# Altium PCB Phaser.PcbDoc (part 1 of 4) (continued)
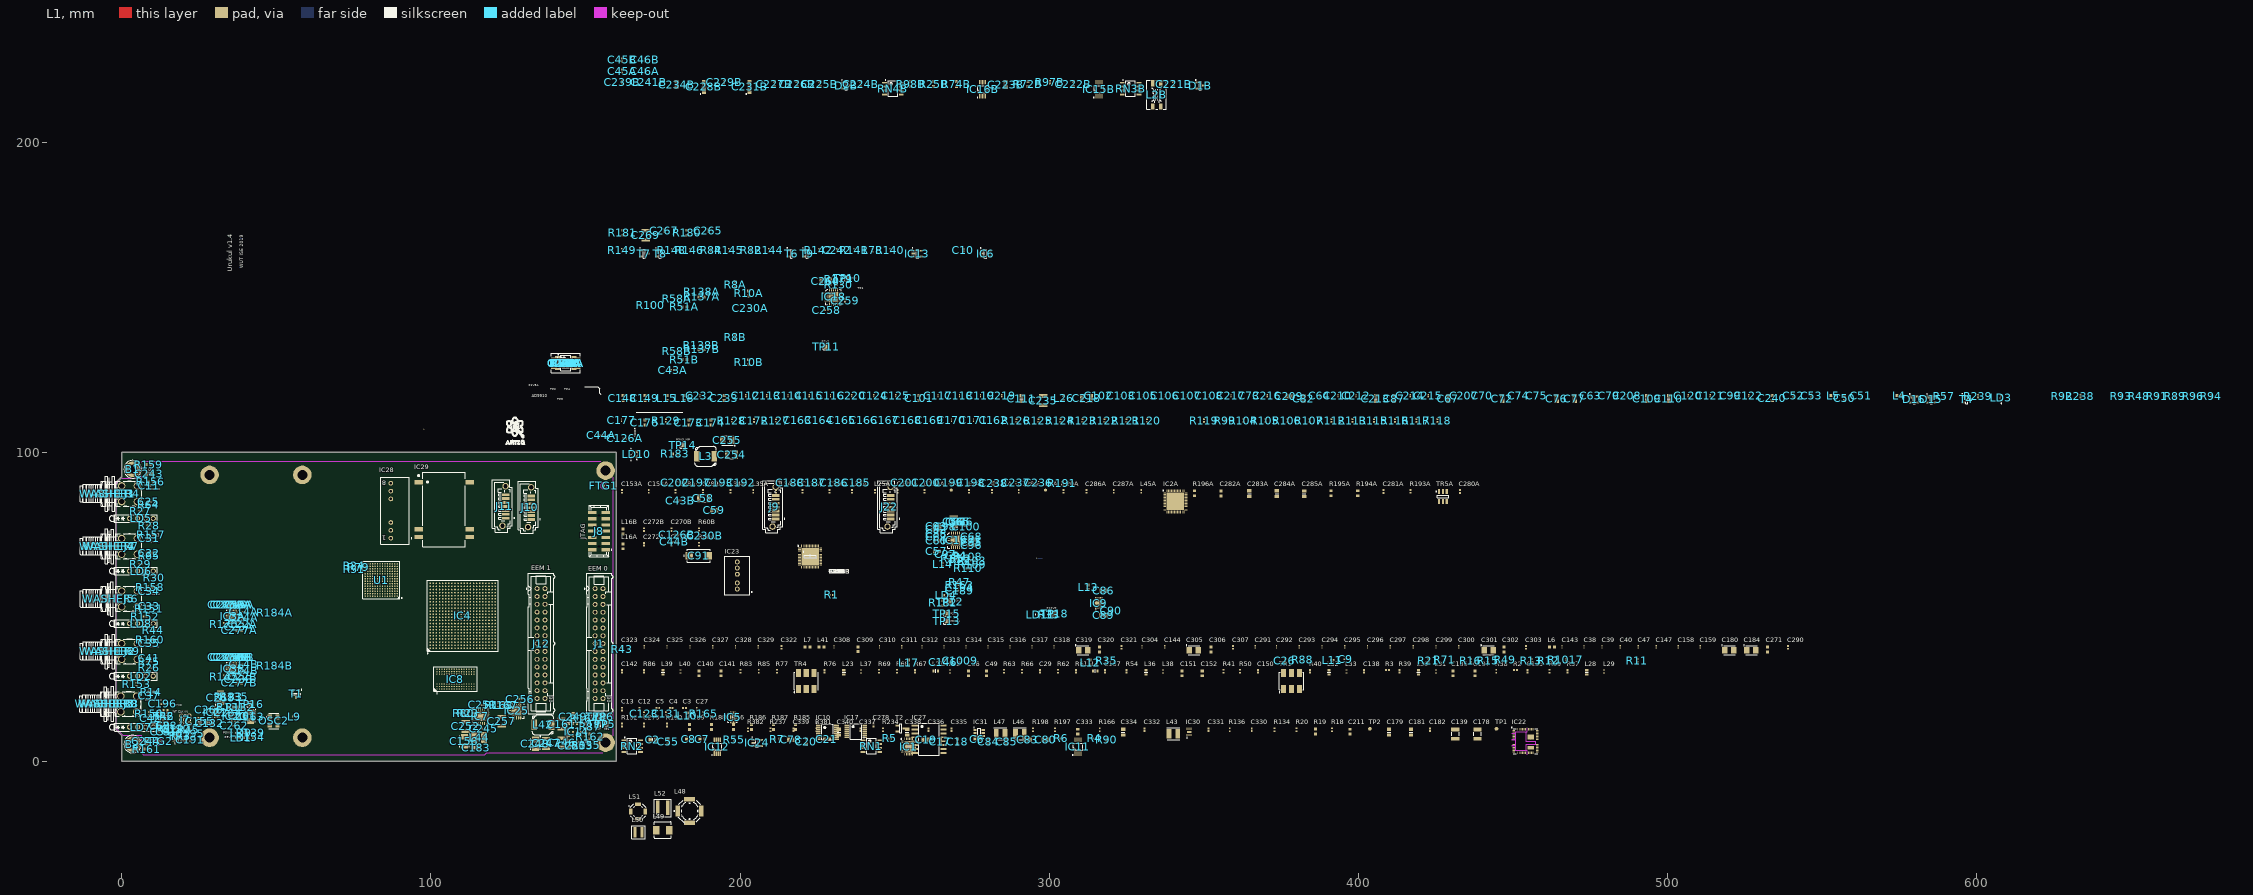
[diagram p0: L1 view]
## Classes and differential pairs (continued)
net class LED[7..0]: LED0 LED1 LED2 LED3 LED4 LED5 LED6 LED7
differential pair DAC_OUT: +DAC_OUT_P -DAC_OUT_N
differential pair DAC_CLK: +DAC_CLK_P -DAC_CLK_N
differential pair BBQB: +BBQB_P -BBQB_N
differential pair BBIB: +BBIB_P -BBIB_N
differential pair SATA_TX: +SATA_TX_P -SATA_TX_N
differential pair SATA_RX: +SATA_RX_P -SATA_RX_N
differential pair MGT_TX3: +MGT_TX3_P -MGT_TX3_N
differential pair MGT_RX3: +MGT_RX3_P -MGT_RX3_N
differential pair LVDS15: +LVDS15_P -LVDS15_N
differential pair LVDS14: +LVDS14_P -LVDS14_N
differential pair LVDS13: +LVDS13_P -LVDS13_N
differential pair LVDS12: +LVDS12_P -LVDS12_N
differential pair LVDS11: +LVDS11_P -LVDS11_N
differential pair LVDS10: +LVDS10_P -LVDS10_N
differential pair LVDS9: +LVDS9_P -LVDS9_N
differential pair LVDS8: +LVDS8_P -LVDS8_N
differential pair LVDS7: +LVDS7_P -LVDS7_N
differential pair LVDS6: +LVDS6_P -LVDS6_N
differential pair LVDS5: +LVDS5_P -LVDS5_N
differential pair LVDS4: +LVDS4_P -LVDS4_N
differential pair LVDS3: +LVDS3_P -LVDS3_N
differential pair LVDS2: +LVDS2_P -LVDS2_N
differential pair LVDS1: +LVDS1_P -LVDS1_N
differential pair LVDS0: +LVDS0_P -LVDS0_N
differential pair IOUTD: +IOUTD_P -IOUTD_N
differential pair IOUTC: +IOUTC_P -IOUTC_N
differential pair IOUTB: +IOUTB_P -IOUTB_N
differential pair IOUTA: +IOUTA_P -IOUTA_N
differential pair IN_1: +IN_1_P -IN_1_N
differential pair IN_0: +IN_0_P -IN_0_N
differential pair DDR3_UDQS: +DDR3_UDQS_P -DDR3_UDQS_N
differential pair DDR3_LDQS: +DDR3_LDQS_P -DDR3_LDQS_N
differential pair DDR3_CK: +DDR3_CK_P -DDR3_CK_N
differential pair CKC_GTP_125: +CKC_GTP_125_P -CKC_GTP_125_N
differential pair CK_GTP: +CK_GTP_P -CK_GTP_N
differential pair CK_GTP_125: +CK_GTP_125_P -CK_GTP_125_N
differential pair ADC_SDOB: +ADC_SDOB_P -ADC_SDOB_N
differential pair ADC_SDOA: +ADC_SDOA_P -ADC_SDOA_N
differential pair ADC_SCK: +ADC_SCK_P -ADC_SCK_N
differential pair ADC_CNVn: +ADC_CNVn_P -ADC_CNVn_N
differential pair ADC_CLKOUT: +ADC_CLKOUT_P -ADC_CLKOUT_N
differential pair CK_SMA: +CK_SMA_P -CK_SMA_N
differential pair CK_MMCX: +CK_MMCX_P -CK_MMCX_N
differential pair CK_MMCX_IN: +CK_MMCX_IN_P -CK_MMCX_IN_N
differential pair CK_SMA_IN: +CK_SMA_IN_P -CK_SMA_IN_N

## Components (designator, comment, footprint, x,y, rotation, side; value= is the part's Value field where it differs from the comment)
B1 "Plated Hole" MTG270_500 3.556,94.412 r90 top locked
B2 "Plated Hole" MTG270_500 3.556,5.512 r90 top locked
B3A "SMD Pad" C100 298.767,87.659 r90 top (schematic designator B3)
B3B "SMD Pad" C100 222.662,66.162 r0 top (schematic designator B3)
B4A "SMD Pad" C100 268.291,87.659 r90 top (schematic designator B4)
B4B "SMD Pad" C100 222.662,66.162 r0 top (schematic designator B4)
C1 "100nF" CAPC1608X87N 299.389,83.344 r180 bottom
C2 "10uF" CAPC2012X95N 171.811,6.855 r0 top
C3 "100nF" CAPC1005X55N 182.036,17.256 r0 top
C4 "100nF" CAPC1005X55N 177.711,17.256 r0 top
C5 "100nF" CAPC1005X55N 173.386,17.256 r0 top
C6 "1uF" CAPC1608X87N 276.766,7.13 r0 top
C7 "1uF" CAPC1608X87N 187.812,7.13 r0 top
C8 "100nF" CAPC1608X87N 183.386,7.13 r0 top
C9 "100nF" CAPC1005X55N 395.897,32.956 r0 top
C10 "100nF" CAPC1005X55N 272.216,165.238 r90 top
C11 "10nF" CAPC1005X55N 8.839,89.154 r0 top
C12 "100nF" CAPC1005X55N 167.386,16.831 r90 top
C13 "100nF" CAPC1005X55N 161.81,16.831 r90 top
C14A "10nF" CAPC1005X55N 39.5,48.325 r180 top (schematic designator C14)
C14B "10nF" CAPC1005X55N 39.5,31.325 r180 top (schematic designator C14)
C15A "10nF" CAPC1005X55N 38.171,50.64 r270 top (schematic designator C15)
C15B "10nF" CAPC1005X55N 38.171,33.64 r270 top (schematic designator C15)
C16A "10nF" CAPC1005X55N 37.271,50.64 r270 top (schematic designator C16)
C16B "10nF" CAPC1005X55N 37.271,33.64 r270 top (schematic designator C16)
C17 "100nF" CAPC1608X87N 264.79,6.305 r90 top
C18 "100nF" CAPC1608X87N 270.366,6.305 r90 top
C19 "10uF" CAPC2012X95N 260.14,6.855 r0 top
C20 "100nF" CAPC1608X87N 221.438,6.305 r90 top
C21 "100nF" CAPC1608X87N 228.089,7.13 r0 top
C22A "100nF" CAPC1005X55N 39.2,44.325 r90 top (schematic designator C22)
C22B "100nF" CAPC1005X55N 39.2,27.325 r90 top (schematic designator C22)
C23A "1nF" CAPC1005X55N 37.9,43.525 r180 top (schematic designator C23)
C23B "1nF" CAPC1005X55N 37.9,26.525 r180 top (schematic designator C23)
C24A "100pF" CAPC1005X55N 39.5,46.325 r180 top (schematic designator C24)
C24B "100pF" CAPC1005X55N 39.5,29.325 r180 top (schematic designator C24)
C25 "100nF" CAPC1005X55N 8.797,83.871 r180 top
C26 "100nF" CAPC1005X55N 376.171,32.556 r90 top
C27 "100nF" CAPC1005X55N 185.962,16.831 r90 top
C28 "0.5pF" CAPC1005X50N 14.5,11.475 r180 top
C29 "1uF" CAPC1005X55N 297.017,29.081 r90 top
C30A "1uF" CAPC1005X55N 228.864,87.284 r90 top (schematic designator C30)
C30B "1uF" CAPC1005X55N 222.662,66.162 r0 top (schematic designator C30)
C31 "10nF" CAPC1005X55N 8.814,72.085 r0 top
C32 "100nF" CAPC1608X90N 8.828,67.277 r180 top
C33 "10nF" CAPC1005X55N 8.814,50.165 r0 top
C34 "10nF" CAPC1005X55N 8.814,55.042 r180 top
C35 "10nF" CAPC1005X55N 8.814,38.151 r0 top
C36 "2.2pF" CAPC1608X87N 273.916,28.431 r90 top
C37 "10nF" CAPC1005X55N 8.865,21.209 r0 top
C38 "220nF" CAPC0603X33N 472.926,36.956 r90 top
C39 "220nF" CAPC0603X33N 478.776,36.956 r90 top
C40 "220nF" CAPC0603X33N 484.626,36.956 r90 top
C41 "10nF" CAPC1005X55N 8.839,33.223 r180 top
C42 "100nF" CAPC1005X55N 9.32,13.85 r180 top
C43A "100pF" CAPC1005X55N 178.15,126.5 r180 top (schematic designator C43)
C43B "100pF" CAPC1005X55N 180.6,84.275 r180 top (schematic designator C43)
C44A "4.7pF" CAPC1005X55N 155.075,105.4 r0 top (schematic designator C44)
C44B "4.7pF" CAPC1005X55N 178.725,70.952 r0 top (schematic designator C44)
C45A "100pF" CAPC1005X55N 161.81,223.216 r90 top (schematic designator C45)
C45B "100pF" CAPC1005X55N 161.81,226.816 r90 top (schematic designator C45)
C46A "100pF" CAPC1005X55N 169.161,223.216 r90 top (schematic designator C46)
C46B "100pF" CAPC1005X55N 169.161,226.816 r90 top (schematic designator C46)
C47 "220nF" CAPC0603X33N 490.476,36.956 r90 top
C48 "100nF" CAPC1005X55N 226.967,149.61 r270 bottom
C49 "2.7pF" CAPC1608X87N 279.741,28.431 r90 top
C50 "22uF" CAPC1709X100N 557.205,117.41 r90 top
C51 "100nF" CAPC0603X33N 562.605,118.21 r90 top
C52 "1uF" CAPC1005X55N 540.729,118.21 r90 top
C53 "1uF" CAPC1005X55N 546.579,118.21 r90 top
C54 "100nF" CAPC1005X55N 12.7,9.55 r0 top
C55 "100nF" CAPC1608X87N 176.711,6.305 r90 top
C56 "100uF" CAPC3225X270N 269.125,77.4 r270 top
C57 "22uF" CAPC1709X100N 263.625,67.9 r0 top
C58 "100uF" CAPC3225X270N 188.125,84.989 r0 top
C59 "4.7uF" CAPC2012X135N 191.625,81.179 r0 top
C60 "22uF" CAPC1709X100N 263.625,71.3 r0 top
C61 "470nF" CAPC0603X33N 270.025,77.4 r270 top
C62 "470nF" CAPC0603X33N 263.625,72.6 r0 top
C63 "470nF" CAPC0603X33N 475.176,118.21 r90 top
C64 "470nF" CAPC0603X33N 387.496,118.21 r90 top
C65 "470nF" CAPC0603X33N 271.025,77.4 r270 top
C66 "4.7uF" CAPC2012X135N 271.925,77.4 r270 top
C67 "4.7uF" CAPC2012X135N 429.023,117.285 r90 top
C68 "470nF" CAPC0603X33N 274.925,72.6 r180 top
C69 "0.5pF" CAPC1005X50N 12.5,11.475 r180 top
C70 "470nF" CAPC0603X33N 440.099,118.21 r90 top
C71 "4.7uF" CAPC2012X135N 274.925,71.7 r180 top
C72 "4.7uF" CAPC2012X135N 446.549,117.285 r90 top
C73 "470nF" CAPC0603X33N 364.62,118.21 r90 top
C74 "470nF" CAPC0603X33N 451.799,118.21 r90 top
C75 "470nF" CAPC0603X33N 457.65,118.21 r90 top
C76 "4.7uF" CAPC2012X135N 464.1,117.285 r90 top
C77 "4.7uF" CAPC2012X135N 469.925,117.285 r90 top
C78 "10uF" CAPC2012X95N 216.538,6.855 r0 top
C79 "470nF" CAPC0603X33N 481.026,118.21 r90 top
C80 "10uF" CAPC2012X95N 298.867,6.855 r0 top
C81 "100nF" CAPC1005X55N 14.525,9.575 r180 top
C82 "4.7uF" CAPC2012X135N 382.271,117.285 r90 top
C83 "10uF" CAPC2012X95N 293.017,6.855 r0 top
C84 "1uF" CAPC1608X87N 280.391,6.305 r90 top
C85 "2.2uF" CAPC1608X87N 286.241,6.305 r90 top
C86 "47nF" CAPC2012X135N 317.6,55.102 r180 top
C87 "4.7uF" CAPC2012X135N 411.498,117.285 r90 top
C88 "100nF" CAPC1005X55N 263.625,73.5 r0 top
C89 "47nF" CAPC2012X135N 317.55,47.229 r0 top
C90 "470nF" CAPC0603X33N 319.997,48.642 r90 top
C91 "330uF" CAPMP7343X190N 186.625,66.475 r0 top
C92 "4.7uF" CAPC2012X135N 263.625,75.06 r0 top
C93 "4.7uF" CAPC2012X135N 263.625,75.96 r0 top
C94 "4.7uF" CAPC2012X135N 269.825,66.4 r90 top
C95 "470nF" CAPC0603X33N 274.925,70.8 r180 top
C96 "4.7uF" CAPC2012X135N 274.925,69.9 r180 top
C97 "470nF" CAPC0603X33N 266.525,66.9 r0 top
C98 "470nF" CAPC0603X33N 266.425,75.9 r0 top
C99 "470nF" CAPC0603X33N 520.403,118.21 r90 top
C100 "470nF" CAPC0603X33N 273.125,75.9 r180 top
C101 "22uF" CAPC1709X100N 257.89,117.41 r90 top
C102 "470nF" CAPC0603X33N 316.068,118.21 r90 top
C103 "470nF" CAPC0603X33N 323.193,118.21 r90 top
C104 "470nF" CAPC0603X33N 171.701,113.328 r180 bottom
C105 "470nF" CAPC0603X33N 330.319,118.21 r90 top
C106 "470nF" CAPC0603X33N 337.419,118.21 r90 top
C107 "470nF" CAPC0603X33N 344.544,118.21 r90 top
C108 "470nF" CAPC0603X33N 351.67,118.21 r90 top
C109 "4.7uF" CAPC2012X135N 493.327,117.285 r90 top
C110 "4.7uF" CAPC2012X135N 500.427,117.285 r90 top
C111 "4.7uF" CAPC2012X135N 291.092,117.285 r90 top
C112 "100nF" CAPC0603X33N 201.787,118.21 r90 top
C113 "100nF" CAPC0603X33N 208.638,118.21 r90 top
C114 "100nF" CAPC0603X33N 215.513,118.21 r90 top
C115 "100nF" CAPC0603X33N 222.363,118.21 r90 top
C116 "100nF" CAPC0603X33N 229.239,118.21 r90 top
C117 "470nF" CAPC0603X33N 264.04,118.21 r90 top
C118 "470nF" CAPC0603X33N 270.916,118.21 r90 top
C119 "470nF" CAPC0603X33N 277.766,118.21 r90 top
C120 "100nF" CAPC0603X33N 506.677,118.21 r90 top
C121 "470nF" CAPC0603X33N 513.803,118.21 r90 top
C122 "100nF" CAPC0603X33N 526.253,118.21 r90 top
C123 "1uF" CAPC1005X55N 168.911,15.405 r90 top
C124 "100nF" CAPC0603X33N 243.214,118.21 r90 top
C125 "100nF" CAPC0603X33N 250.34,118.21 r90 top
C126A "1uF" CAPC1005X55N 162.715,104.378 r0 top (schematic designator C126)
C126B "1uF" CAPC1005X55N 179.55,73.3 r0 top (schematic designator C126)
C127A "4.7pF" CAPC1005X55N 281.466,87.284 r90 top (schematic designator C127)
C127B "4.7pF" CAPC1005X55N 222.662,66.162 r0 top (schematic designator C127)
C128A "1uF" CAPC1005X55N 290.117,87.284 r90 top (schematic designator C128)
C128B "1uF" CAPC1005X55N 222.662,66.162 r0 top (schematic designator C128)
C129A "1uF" CAPC1005X55N 250.99,87.284 r90 top (schematic designator C129)
C129B "1uF" CAPC1005X55N 222.662,66.162 r0 top (schematic designator C129)
C130A "1nF" CAPC1005X55N 259.615,87.284 r90 top (schematic designator C130)
C130B "1nF" CAPC1005X55N 222.662,66.162 r0 top (schematic designator C130)
C131 "100nF" CAPC1005X55N 176.036,15.405 r90 top
C132 "22uF" CAPC2012X135N 28.45,12.275 r0 top
C133A "4.7pF" CAPC1005X55N 220.238,87.284 r90 top (schematic designator C133)
C133B "4.7pF" CAPC1005X55N 222.662,66.162 r0 top (schematic designator C133)
C134A "4.7pF" CAPC1005X55N 211.588,87.284 r90 top (schematic designator C134)
C134B "4.7pF" CAPC1005X55N 222.662,66.162 r0 top (schematic designator C134)
C135 "1uF" CAPC1005X55N 454.7,29.081 r90 top
C136 "2.2pF" CAPC1608X87N 430.573,28.431 r90 top
C137 "2.7pF" CAPC1608X87N 437.674,28.431 r90 top
C138 "1uF" CAPC1005X55N 401.847,29.081 r90 top
C139 "47uF" CAPC3225X270N 431.348,8.755 r90 top
C140 "2.2pF" CAPC1608X87N 186.712,28.431 r90 top
C141 "2.7pF" CAPC1608X87N 193.812,28.431 r90 top
C142 "1uF" CAPC1005X55N 161.81,29.081 r90 top
C143 "220nF" CAPC0603X33N 465.8,36.956 r90 top
C144 "220nF" CAPC0603X33N 337.369,36.956 r90 top
C145 "10uF" CAPC2012X95N 47.61,17.335 r180 bottom
C146 "1nF" CAPC1608X90N 265.69,31.956 r90 top
C147 "220nF" CAPC0603X33N 496.302,36.956 r90 top
C148 "22uF" CAPC1709X100N 162.11,117.41 r90 top
C149 "22uF" CAPC1709X100N 169.211,117.41 r90 top
C150 "1uF" CAPC1005X55N 367.52,29.081 r90 top
C151 "2.2pF" CAPC1608X87N 342.869,28.431 r90 top
C152 "2.7pF" CAPC1608X87N 349.469,28.431 r90 top
C153A "4.7pF" CAPC1005X55N 161.81,87.284 r90 top (schematic designator C153)
C153B "4.7pF" CAPC1005X55N 222.662,66.162 r0 top (schematic designator C153)
C154A "4.7pF" CAPC1005X55N 170.436,87.284 r90 top (schematic designator C154)
C154B "4.7pF" CAPC1005X55N 222.662,66.162 r0 top (schematic designator C154)
C155 "22uF" CAPC2012X135N 25.187,12.885 r90 top
C156 "22uF" CAPMP3528X210N 110.85,6.4 r270 top
C157 "1uF" CAPC1005X55N 317.968,29.081 r90 top
C158 "220nF" CAPC0603X33N 503.427,36.956 r90 top
C159 "220nF" CAPC0603X33N 510.552,36.956 r90 top
C160 "1uF" CAPC1005X55N 129.823,17.14 r90 bottom
C161 "47uF" CAPC3225X270N 142.238,12.007 r90 top
C162 "100nF" CAPC0603X33N 282.091,110.335 r90 top
C163 "100nF" CAPC0603X33N 218.563,110.335 r90 top
C164 "100nF" CAPC0603X33N 225.663,110.335 r90 top
C165 "100nF" CAPC0603X33N 232.789,110.335 r90 top
C166 "100nF" CAPC0603X33N 239.914,110.335 r90 top
C167 "100nF" CAPC0603X33N 247.014,110.335 r90 top
C168 "100nF" CAPC0603X33N 254.14,110.335 r90 top
C169 "100nF" CAPC0603X33N 261.265,110.335 r90 top
C170 "100nF" CAPC0603X33N 268.366,110.335 r90 top
C171 "100nF" CAPC0603X33N 275.491,110.335 r90 top
C172 "1uF" CAPC1005X55N 204.487,110.185 r90 top
C173 "22uF" CAPC1709X100N 183.436,109.535 r90 top
C174 "22uF" CAPC1709X100N 190.562,109.535 r90 top
C175 "10nF" CAPC1005X55N 183.417,111.418 r0 bottom
C176 "22uF" CAPC1709X100N 169.211,109.535 r90 top
C177 "100nF" CAPC0603X33N 161.66,110.335 r90 top
C178 "47uF" CAPC3225X270N 438.474,8.755 r90 top
C179 "10uF" CAPC2012X135N 409.872,9.405 r90 top
C180 "22uF" CAPMP3528X210N 519.953,35.881 r0 top
C181 "10uF" CAPC2012X135N 416.998,9.405 r90 top
C182 "100nF" CAPC1005X55N 423.148,10.18 r90 top
C183 "22uF" CAPC2012X135N 114.6,4.4 r0 top
C184 "22uF" CAPMP3528X210N 527.053,35.881 r0 top
C185 "100nF" CAPC0603X33N 237.589,90.109 r90 top
C186 "100nF" CAPC0603X33N 230.464,90.109 r90 top
C187 "100nF" CAPC0603X33N 223.088,90.109 r90 top
C188 "100nF" CAPC0603X33N 216.238,90.109 r90 top
C189 "100nF" CAPC1005X55N 271.109,55.16 r180 top
C190 "100nF" CAPC1005X55N 17.602,10.465 r180 top
C191 "0.5pF" CAPC1005X50N 22.187,6.999 r270 top
C192 "100nF" CAPC0603X33N 200.412,90.109 r90 top
C193 "100nF" CAPC0603X33N 193.287,90.109 r90 top
C194 "100nF" CAPC1005X55N 271.109,56.027 r180 top
C195 "0.5pF" CAPC1005X50N 22.187,8.828 r270 top
C196 "100nF" CAPC1005X55N 13.25,18.5 r0 top
C197 "100nF" CAPC0603X33N 185.912,90.109 r90 top
C198 "100nF" CAPC0603X33N 274.741,90.109 r90 top
C199 "100nF" CAPC0603X33N 267.64,90.109 r90 top
C200 "100nF" CAPC0603X33N 260.265,90.109 r90 top
C201 "100nF" CAPC0603X33N 253.39,90.109 r90 top
C202 "100nF" CAPC0603X33N 179.061,90.109 r90 top
C203 "100nF" CAPC0603X33N 170.112,117.824 r270 bottom
C204 "100nF" CAPC0603X33N 177.609,111.326 r0 bottom
C205 "100nF" CAPC0603X33N 176.796,116.321 r90 bottom
C206 "100nF" CAPC0603X33N 185.234,114.04 r90 bottom
C207 "470nF" CAPC0603X33N 434.249,118.21 r90 top
C208 "470nF" CAPC0603X33N 486.876,118.21 r90 top
C209 "4.7uF" CAPC2012X135N 377.671,118.01 r0 top
C210 "470nF" CAPC0603X33N 393.347,118.21 r90 top
C211 "1nF" CAPC1608X87N 397.222,9.53 r90 top
C212 "470nF" CAPC0603X33N 399.197,118.21 r90 top
C213 "4.7uF" CAPC2012X135N 405.647,117.285 r90 top
C214 "470nF" CAPC0603X33N 416.723,118.21 r90 top
C215 "470nF" CAPC0603X33N 422.573,118.21 r90 top
C216 "470nF" CAPC0603X33N 370.471,118.21 r90 top
C217 "470nF" CAPC0603X33N 358.77,118.21 r90 top
C218 "47uF" CAPC3225X270N 312.043,117.385 r0 top
C219 "470nF" CAPC0603X33N 284.641,118.21 r90 top
C220 "100nF" CAPC0603X33N 236.089,118.21 r90 top
C221A "8.2pF" CAPC1608X87N 143.6,128.775 r0 top (schematic designator C221)
C221B "8.2pF" CAPC1608X87N 340.219,218.965 r90 top (schematic designator C221)
C222A "39pF" CAPC1608X87N 143.6,128.775 r0 top (schematic designator C222)
C222B "39pF" CAPC1608X87N 307.767,218.965 r90 top (schematic designator C222)
C223A "47nF" CAPC2012X135N 143.6,128.775 r0 top (schematic designator C223)
C223B "47nF" CAPC2012X135N 285.891,218.84 r90 top (schematic designator C223)
C224A "1nF" CAPC1608X90N 143.6,128.775 r0 top (schematic designator C224)
C224B "1nF" CAPC1608X90N 239.014,219.015 r90 top (schematic designator C224)
C225A "8.2pF" CAPC1608X87N 143.6,128.775 r0 top (schematic designator C225)
C225B "8.2pF" CAPC1608X87N 225.813,218.965 r90 top (schematic designator C225)
C226A "1nF" CAPC1608X90N 143.6,128.775 r0 top (schematic designator C226)
C226B "1nF" CAPC1608X90N 218.438,219.015 r90 top (schematic designator C226)
C227A "1nF" CAPC1608X90N 143.6,128.775 r0 top (schematic designator C227)
C227B "1nF" CAPC1608X90N 211.063,219.015 r90 top (schematic designator C227)
C228A "10uF" CAPMP3216X180N 143.6,128.775 r0 top (schematic designator C228)
C228B "10uF" CAPMP3216X180N 188.312,218.065 r90 top (schematic designator C228)
C229A "100nF" CAPC1005X55N 143.6,128.775 r0 top (schematic designator C229)
C229B "100nF" CAPC1005X55N 194.812,219.615 r90 top (schematic designator C229)
C230A "100nF" CAPC1005X55N 203.3,146.553 r180 top (schematic designator C230)
C230B "100nF" CAPC1005X55N 188.575,72.95 r180 top (schematic designator C230)
C231A "10uF" CAPMP3216X180N 143.6,128.775 r0 top (schematic designator C231)
C231B "10uF" CAPMP3216X180N 203.062,218.065 r90 top (schematic designator C231)
C232 "100nF" CAPC0603X33N 187.037,118.21 r90 top
C233 "22uF" CAPC1709X100N 194.862,117.41 r90 top
C234A "47nF" CAPC2012X135N 143.6,128.775 r0 top (schematic designator C234)
C234B "47nF" CAPC2012X135N 179.536,218.84 r90 top (schematic designator C234)
C235 "47uF" CAPC3225X270N 298.092,116.61 r90 top
C236 "100nF" CAPC0603X33N 296.592,90.109 r90 top
C237 "100nF" CAPC0603X33N 289.242,90.109 r90 top
C238 "10nF" CAPC1005X55N 282.016,89.934 r90 top
C239A "100nF" CAPC1005X55N 143.6,128.775 r0 top (schematic designator C239)
C239B "100nF" CAPC1005X55N 161.81,219.615 r90 top (schematic designator C239)
C240 "22uF" CAPC1709X100N 533.828,117.41 r90 top
C241A "100nF" CAPC1005X55N 143.6,128.775 r0 top (schematic designator C241)
C241B "100nF" CAPC1005X55N 170.436,219.615 r90 top (schematic designator C241)
C242 "100nF" CAPC1005X55N 231.339,165.238 r90 top
C243 "Undefined" CAPC2012X135N 8.919,92.984 r0 top
C244 "Undefined" CAPC2012X135N 7.979,6.421 r90 top
C245 "1uF" CAPC1005X55N 117.029,10.511 r180 top
C246 "47uF" CAPC3225X270N 142.238,5.957 r270 top
C247 "47uF" CAPC3225X270N 137.217,5.766 r90 top
C248 "22uF" CAPMP3528X210N 133.791,5.57 r270 top
C249 "22uF" CAPC2012X135N 146,14.453 r270 top
C250 "22uF" CAPC2012X135N 145.738,4.957 r0 top
C251 "1uF" CAPC1005X55N 116.8,18.2 r0 top
C252 "47uF" CAPC3225X270N 111.279,11.261 r90 top
C253 "100nF" CAPC1005X55N 147.988,4.957 r90 top
C254 "47uF" CAPC3225X270N 197.225,99.1 r0 top
C255 "22uF" CAPMP3528X210N 195.85,103.725 r180 top
C256 "1uF" CAPC1005X55N 128.89,20.053 r0 top
C257 "47uF" CAPC3225X270N 122.85,12.9 r90 top
C258 "1uF" CAPC1005X55N 227.95,145.9 r180 top
C259 "1uF" CAPC1005X55N 233.95,148.9 r270 top
C260 "47uF" CAPC3225X270N 227.7,155.15 r0 top
C261 "10nF" CAPC1005X55N 39.13,14.7 r90 top
C262 "1uF" CAPC1005X55N 36.38,11.45 r180 top
C263 "22uF" CAPMP3528X210N 41.63,14.45 r270 top
C264 "100nF" CAPC1005X55N 34.38,15.7 r90 top
C265 "1uF" CAPC1005X55N 189.762,171.563 r90 top
C266 "100nF" CAPC1005X55N 28.373,16.642 r90 top
C267 "1uF" CAPC1005X55N 175.536,171.563 r90 top
C268 "22uF" CAPMP3528X210N 31.98,20.513 r90 top
C269 "47uF" CAPC3225X270N 169.511,170.113 r90 top
C270A "1uF" CAPC1005X55N 177.811,70.158 r90 top (schematic designator C270)
C270B "1uF" CAPC1005X55N 177.811,74.883 r90 top (schematic designator C270)
C271 "22uF" CAPC1709X100N 532.328,36.131 r90 top
C272A "1uF" CAPC1005X55N 168.911,70.158 r90 top (schematic designator C272)
C272B "1uF" CAPC1005X55N 168.911,74.883 r90 top (schematic designator C272)
C273A "10nF" CAPC1005X55N 36.371,50.64 r270 top (schematic designator C273)
C273B "10nF" CAPC1005X55N 36.371,33.64 r270 top (schematic designator C273)
C274A "10nF" CAPC1005X55N 35.446,50.64 r270 top (schematic designator C274)
C274B "10nF" CAPC1005X55N 35.446,33.64 r270 top (schematic designator C274)
C275A "10nF" CAPC1005X55N 34.496,50.64 r270 top (schematic designator C275)
C275B "10nF" CAPC1005X55N 34.496,33.64 r270 top (schematic designator C275)
C276A "10nF" CAPC1005X55N 33.65,50.675 r270 top (schematic designator C276)
C276B "10nF" CAPC1005X55N 33.65,33.675 r270 top (schematic designator C276)
C277A "10uF" CAPC1608X80N 38,42.325 r180 top (schematic designator C277)
C277B "10uF" CAPC1608X80N 38,25.325 r180 top (schematic designator C277)
C278 "100nF" CAPC1005X55N 243.139,11.68 r90 top
C279 "100nF" CAPC1005X55N 168.911,11.68 r90 top
C280A "0.5pF" CAPC1005X50N 432.774,87.259 r90 top (schematic designator C280)
C280B "0.5pF" CAPC1005X50N 222.662,66.162 r0 top (schematic designator C280)
C281A "0.5pF" CAPC1005X50N 408.147,87.259 r90 top (schematic designator C281)
C281B "0.5pF" CAPC1005X50N 222.662,66.162 r0 top (schematic designator C281)
C282A "270pF" CAPC1608X87N 355.57,86.634 r90 top (schematic designator C282)
C282B "270pF" CAPC1608X87N 222.662,66.162 r0 top (schematic designator C282)
C283A "4.7nF" CAPC2012X95N 364.72,86.509 r90 top (schematic designator C283)
C283B "4.7nF" CAPC2012X95N 222.662,66.162 r0 top (schematic designator C283)
C284A "4.7nF" CAPC2012X95N 373.596,86.509 r90 top (schematic designator C284)
C284B "4.7nF" CAPC2012X95N 222.662,66.162 r0 top (schematic designator C284)
C285A "Undefined" CAPC2012X135N 382.446,86.509 r90 top (schematic designator C285)
C285B "Undefined" CAPC2012X135N 222.662,66.162 r0 top (schematic designator C285)
C286A "4.7pF" CAPC1005X55N 311.968,87.284 r90 top (schematic designator C286)
C286B "4.7pF" CAPC1005X55N 222.662,66.162 r0 top (schematic designator C286)
C287A "1uF" CAPC1005X55N 320.843,87.284 r90 top (schematic designator C287)
C287B "1uF" CAPC1005X55N 222.662,66.162 r0 top (schematic designator C287)
C288A "100pF" CAPC1005X55N 179.086,87.284 r90 top (schematic designator C288)
C288B "100pF" CAPC1005X55N 222.662,66.162 r0 top (schematic designator C288)
C289A "100pF" CAPC1005X55N 187.962,87.284 r90 top (schematic designator C289)
C289B "100pF" CAPC1005X55N 222.662,66.162 r0 top (schematic designator C289)
C290 "1nF" CAPC1005X55N 538.879,36.806 r90 top
C291 "220nF" CAPC0603X33N 366.57,36.956 r90 top
C292 "220nF" CAPC0603X33N 373.446,36.956 r90 top
C293 "220nF" CAPC0603X33N 380.821,36.956 r90 top
C294 "220nF" CAPC0603X33N 388.196,36.956 r90 top
C295 "220nF" CAPC0603X33N 395.547,36.956 r90 top
C296 "220nF" CAPC0603X33N 402.922,36.956 r90 top
C297 "220nF" CAPC0603X33N 410.297,36.956 r90 top
C298 "220nF" CAPC0603X33N 417.673,36.956 r90 top
C299 "220nF" CAPC0603X33N 425.048,36.956 r90 top
C300 "220nF" CAPC0603X33N 432.424,36.956 r90 top
C301 "22uF" CAPMP3528X210N 442.074,35.881 r0 top
C302 "22uF" CAPC1709X100N 447.099,36.131 r90 top
C303 "1nF" CAPC1005X55N 454.15,36.806 r90 top
C304 "220nF" CAPC0603X33N 329.994,36.956 r90 top
C305 "22uF" CAPMP3528X210N 346.769,35.881 r0 top
C306 "22uF" CAPC1709X100N 352.295,36.131 r90 top
C307 "1nF" CAPC1005X55N 359.37,36.806 r90 top
C308 "220nF" CAPC0603X33N 230.389,36.956 r90 top
C309 "100nF" CAPC1608X90N 238.164,36.181 r90 top
C310 "220nF" CAPC0603X33N 245.114,36.956 r90 top
C311 "220nF" CAPC0603X33N 252.24,36.956 r90 top
C312 "220nF" CAPC0603X33N 258.84,36.956 r90 top
C313 "220nF" CAPC0603X33N 265.965,36.956 r90 top
C314 "220nF" CAPC0603X33N 273.066,36.956 r90 top
C315 "220nF" CAPC0603X33N 280.191,36.956 r90 top
C316 "220nF" CAPC0603X33N 287.316,36.956 r90 top
C317 "220nF" CAPC0603X33N 294.417,36.956 r90 top
C318 "220nF" CAPC0603X33N 301.542,36.956 r90 top
C319 "22uF" CAPMP3528X210N 310.943,35.881 r0 top
C320 "22uF" CAPC1709X100N 316.218,36.131 r90 top
C321 "1nF" CAPC1005X55N 323.293,36.806 r90 top
C322 "2.2uF" CAPC1005X55N 213.388,36.806 r90 top
C323 "220nF" CAPC0603X33N 161.66,36.956 r90 top
C324 "220nF" CAPC0603X33N 169.011,36.956 r90 top
C325 "220nF" CAPC0603X33N 176.386,36.956 r90 top
C326 "220nF" CAPC0603X33N 183.761,36.956 r90 top
C327 "220nF" CAPC0603X33N 191.137,36.956 r90 top
C328 "220nF" CAPC0603X33N 198.512,36.956 r90 top
C329 "220nF" CAPC0603X33N 205.887,36.956 r90 top
C330 "100nF" CAPC1005X55N 365.47,10.18 r90 top
C331 "15pF" CAPC1005X55N 351.495,10.18 r90 top
C332 "1uF" CAPC1005X55N 330.794,10.18 r90 top
C333 "22pF" CAPC1608X87N 309.193,9.53 r90 top
C334 "10uF" CAPC2012X135N 323.893,9.405 r90 top
C335 "1uF" CAPC1005X55N 268.316,10.18 r90 top
C336 "1uF" CAPC1005X55N 260.94,10.18 r90 top
C337 "68pF" CAPC1005X55N 238.839,10.18 r90 top
C338 "10uF" CAPC2012X135N 254.04,9.405 r90 top
C339 "68pF" CAPC1005X55N 217.238,10.18 r90 top
C340 "10uF" CAPC2012X135N 231.939,9.405 r90 top
C1009 "2.2uF" CAPC1005X55N 271.266,32.556 r90 top
D1A "BAV199" SOT95P240X110-3N 143.6,128.775 r0 top (schematic designator D1)
D1B "BAV199" SOT95P240X110-3N 348.769,218.515 r0 top (schematic designator D1)
D2A "BAV199" SOT95P240X110-3N 143.6,128.775 r0 top (schematic designator D2)
D2B "BAV199" SOT95P240X110-3N 234.364,218.515 r0 top (schematic designator D2)
D15 "PRTR5V0U2X" SOT190P230X110-4N 585.256,116.985 r0 top
D16 "PRTR5V0U2X" SOT190P230X110-4N 579.681,116.985 r0 top
FTG1 "Use only in PCB" FIDUCIAL_TOP_C100-200 155.85,89.053 r90 top
FTG2 "Use only in PCB" FIDUCIAL_TOP_S100-200 12.017,6.395 r180 top
FTG3 "Use only in PCB" FIDUCIAL_TOP_S200-400 15.675,92.452 r180 bottom
FTG4 "Use only in PCB" FIDUCIAL_TOP_S100-200 12.017,6.395 r90 bottom
IC1 "LTC2323CUFD-16#TRPBF" QFN50P400X500X80-29N 254.49,4.73 r0 top
IC2A "TRF372017IRGZT" QFN50P700X700X100-49N-D 340.744,84.059 r0 top (schematic designator IC2)
IC2B "TRF372017IRGZT" QFN50P700X700X100-49N-D 222.662,66.162 r0 top (schematic designator IC2)
IC3A "HMC542BLP4E" QFN50P400X400X100-25N-S295 35.9,46.925 r180 top (schematic designator IC3)
IC3B "HMC542BLP4E" QFN50P400X400X100-25N-S295 35.9,29.925 r180 top (schematic designator IC3)
IC4 "XC7A100T-3FGG484E" FGG484 110.275,47.025 r90 top
IC5 "Si53340-B-GM" QFN50P300X300X90-17N-S175 197.562,14.155 r0 top
IC6 "24AA02E48T-I/OT" SOT95P280X145-5N 279.391,164.163 r0 top
IC7 "TPS74901RGWT" QFN65P500X500X100-21N-S325 115.987,14.559 r90 top
IC8 "MT41K256M16TW-107:P" BGA96C80P9X16_800X1400X120 107.925,26.55 r90 top
IC9 "TPS51200DRCT" "TEXAS_DRC (S-PVSON-N10)" 315.997,51.142 r90 top
IC10 "SC18IS602B" SOP65P640X110-16N 228.239,9.38 r0 top
IC11 "LTC6655BHMS8-4.096#PBF" SOP65P490X110-8N 309.268,4.68 r90 top
IC12 "OPA2197IDGKR" SOP65P490X110-8N 192.612,4.68 r90 top
IC13 "24AA02E48T-I/OT" SOT95P280X145-5N 257.315,164.163 r0 top
IC14 "LTM4622AEV#PBF" LGA25C127P5X5_625X625X190 147.238,9.457 r0 top locked
IC15A "OPA2197IDGKR" SOP65P490X110-8N 143.6,128.775 r0 top (schematic designator IC15)
IC15B "OPA2197IDGKR" SOP65P490X110-8N 316.068,217.34 r90 top (schematic designator IC15)
IC16A "AD8253ARMZ" SOP50P490X110-10N 143.6,128.775 r0 top (schematic designator IC16)
IC16B "AD8253ARMZ" SOP50P490X110-10N 278.416,217.34 r90 top (schematic designator IC16)
IC17 "74HC4066PW" SOP65P640X110-14N 237.414,9.655 r0 top
IC18 "TPS74901RGWT" QFN65P500X500X100-21N-S325 230.2,150.15 r0 top
IC19 "TPS74901RGWT" QFN65P500X500X100-21N-S325 269.625,71.425 r0 top
IC20 "LT1761ES5-BYP#TRMPBF" SOT95P280X100-5N 36.6,14.472 r90 top
IC21 "LT3045EDD#PBF" SON50P300X300X80-11N-R175X248 30.425,15.827 r90 top
IC22 "MIC45116-1YMP" MICROCHIP_H3QFN88-52LD-PL-3 454,6.455 r0 top
IC23 "TRN 3-1222" DCDC_TRACO_TRN3 198.937,60.058 r90 top
IC24 "SN65LVDS2DBVR" SOT95P280X145-5N 205.487,5.905 r0 top
IC25 "TPS74901RGWT" QFN65P500X500X100-21N-S325 127.737,16.392 r90 top locked
IC26 "LM75AIMM/NOPB" SOP65P490X109-8N 225.519,145.317 r90 bottom
IC27 "S25FL128SAGMFIR01" SOIC127P1030X265-16N 261.14,7.105 r0 top
IC28 "TMR 3-1223HI" DCDC_TRACO_TMR3HI 87.05,81.01 r90 top
IC29 "TES 2N-1223" DCDC-TRACO_TES2N 104.25,81.375 r0 top
IC30 "AUR9705AGD" SON65P200X200X80-7N-R65X145 345.194,9.455 r90 top
IC31 "TPS563201DDC" SOT95P280X110-6N 277.316,9.13 r0 top
J1 "Familly" 3M_N2530-6002RB 154.384,38.018 r270 top
J2 "SMA" RF249BT0050GHDW 2.25,18.5 r180 top locked
J3 "SMA" RF249BT0050GHDW 2.5,86.5 r180 top locked
J4 "SMA" RF249BT0050GHDW 2.5,69.5 r180 top locked
J5 "SMA" RF249BT0050GHDW 2.5,52.5 r180 top locked
J6 "SMA" RF249BT0050GHDW 2.5,35.5 r180 top locked
J7 "MMCX" SAMTEC_MMCX-J-P-H-ST-TH1 20.574,13.386 r180 top
J8 "Milli-Grid™" MOLEX_87832-1420 154.35,74.4 r90 top
J9 "SATA" MOLEX_67800-5005 211.588,82.159 r90 top
J10 "SATA" MOLEX_67800-5005 132.5,82 r90 top
J11 "SATA" MOLEX_67800-5005 124.225,82.38 r90 top
J12 "Familly" 3M_N2530-6002RB 135.614,38.044 r270 top
J22 "SATA" MOLEX_67800-5005 248.765,82.159 r90 top
L1 "68nH" IND_COILCRAFT_0603HP 314.843,29.181 r0 top
L2A "2x6.5mH" IND_WURTH_WE-SL2 143.6,128.775 r0 top (schematic designator L2)
L2B "2x6.5mH" IND_WURTH_WE-SL2 334.744,215.54 r90 top (schematic designator L2)
L3 "1.5uH" IND_TDK_SPM6530 188.85,98.592 r180 top
L4 "120R@100MHz" INDC1608X65N 574.955,118.21 r0 top
L5 "120R@100MHz" INDC1608X65N 553.579,118.21 r0 top
L6 "220R@100MHz" INDC1608X95N 462.575,36.956 r0 top
L7 "220R@100MHz" INDC1608X95N 221.838,36.956 r0 top
L8 "390R@100MHz" INDC1608X95N 295.251,83.328 r180 bottom
L9 "10nH" IND_COILCRAFT_0402DC 55.8,14.4 r0 top
L10 "120R@100MHz" INDC1608X95N 182.886,14.755 r90 top
L11 "1k@100MHz" INDC1005X55N 391.472,32.706 r0 top
L12 "220R@100MHz" INDC1608X95N 313.168,31.906 r90 top
L13 "120R@100MHz" INDC1608X65N 312.572,56.297 r90 top
L14 "1k@100MHz" INDC1005X55N 265.518,63.626 r270 top
L15 "120R@100MHz" INDC1608X65N 176.261,117.46 r90 top
L16A "220R@100MHz" INDC1608X95N 162.06,69.508 r90 top (schematic designator L16)
L16B "220R@100MHz" INDC1608X95N 162.06,74.233 r90 top (schematic designator L16)
L17 "220R@100MHz" INDC1608X95N 254.515,31.906 r90 top
L18 "120R@100MHz" INDC1608X65N 181.861,117.46 r90 top
L19A "1k@100MHz" INDC1005X55N 153.675,103.425 r0 bottom (schematic designator L19)
L19B "1k@100MHz" INDC1005X55N 175.275,68.075 r0 bottom (schematic designator L19)
L20A "1k@100MHz" INDC1005X55N 304.592,87.259 r90 top (schematic designator L20)
L20B "1k@100MHz" INDC1005X55N 222.662,66.162 r0 top (schematic designator L20)
L21 "68nH" IND_COILCRAFT_0603HP 263.265,29.181 r0 top
L22 "10nH" IND_COILCRAFT_0402DC 267.891,29.056 r90 top
L23 "68nH" IND_COILCRAFT_0603HP 233.539,28.706 r90 top
L24A "1k@100MHz" INDC1005X55N 274.091,87.259 r90 top (schematic designator L24)
L24B "1k@100MHz" INDC1005X55N 222.662,66.162 r0 top (schematic designator L24)
L25A "1k@100MHz" INDC1005X55N 243.614,87.259 r90 top (schematic designator L25)
L25B "1k@100MHz" INDC1005X55N 222.662,66.162 r0 top (schematic designator L25)
L26 "120R@100MHz" INDC1608X65N 304.617,117.46 r90 top
L27A "1k@100MHz" INDC1005X55N 236.239,87.259 r90 top (schematic designator L27)
L27B "1k@100MHz" INDC1005X55N 222.662,66.162 r0 top (schematic designator L27)
L28 "68nH" IND_COILCRAFT_0603HP 473.826,28.706 r90 top
L29 "10nH" IND_COILCRAFT_0402DC 479.426,29.056 r90 top
L30 "68nH" IND_COILCRAFT_0603HP 419.448,28.706 r90 top
L31 "10nH" IND_COILCRAFT_0402DC 425.048,29.056 r90 top
L32 "68nH" IND_COILCRAFT_0603HP 390.471,28.706 r90 top
L33 "10nH" IND_COILCRAFT_0402DC 396.072,29.056 r90 top